# Altium PCB RS232_V2.PcbDoc (part 2 of 2)
Units mil, origin at the board's own origin, x right, y up, seen from the top; angles counter-clockwise.
Board outline 2125.02 x 1520 mil, 2 copper layers (Top Layer, Bottom Layer); 64 components, 62 nets, 232 pads, 68 vias.
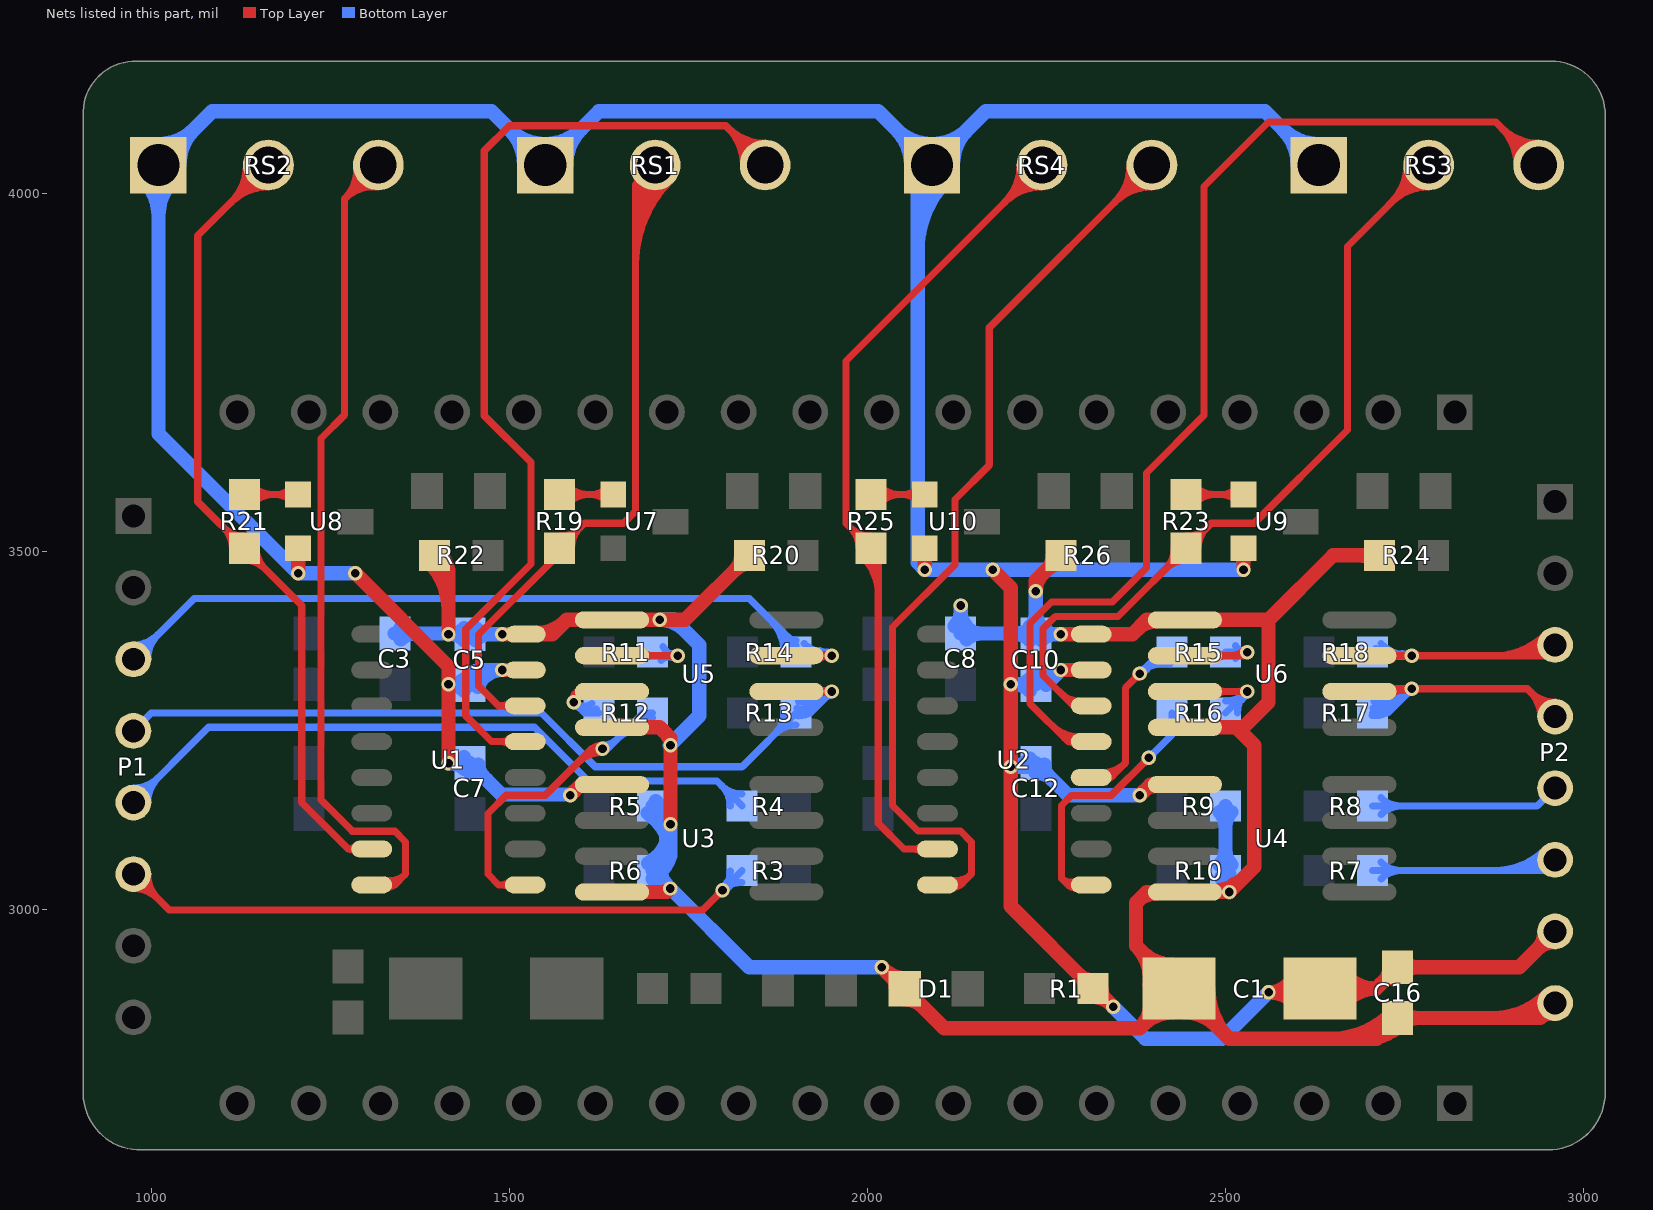
[diagram p2: the nets of this part, all layers, seen from the top]

## Via types
v1: diameter 20, hole 12, Top Layer to Bottom Layer, 68 vias

## Nets (pads, with @x,y where several pads share a name; then routed paths per layer and width w, separated by ;. In a path a pad name is that pad's centre, name@x,y a point inside that pad or via, vN(x,y) a via of type N, cw(c..) or ccw(c..) an arc to the next point about the centre after c; other vN are vias at no path point) (continued)
NetR11_2: R11.2 U5.2 | length 261.5
  Top Layer w10: U5.2@1643.19,3355 v1(1735,3355) ; U5.2@1687.95,3350.05 cw(c1699.9,3338.1) 1699.9,3355 cw(c1699.9,3371.9) U5.2@1687.95,3359.95 ; v1@1731.46,3351.46 ccw(c1722.93,3342.93) 1722.93,3355 ccw(c1722.93,3367.07) v1@1731.46,3358.54
  Bottom Layer w10: R11.2@1704.8,3355 v1(1735,3355) cw(c1735,3377.78) R11.2@1714.67,3367.51 ; R11.2@1711.58,3348.22 cw(c1727.94,3331.87) v1@1727.94,3355 ; R11.2@1719.43,3352.72 cw(c1723.65,3336.97) v1@1732.34,3350.77 ; v1@1730.63,3352.57 ccw(c1720.66,3347.04) 1723.61,3358.05 ccw(c1726.56,3369.06) v1@1732.43,3359.29 ; v1@1731.46,3351.46 ccw(c1722.93,3342.93) 1722.93,3355 ccw(c1722.93,3367.07) v1@1731.46,3358.54
NetR12_1: R12.1 U1.9 | length 649.3
  Top Layer w10: U1.9@1500.73,3030.18 ccw(c1489.11,3018.56) 1489.11,3035 ccw(c1489.11,3051.44) U1.9@1500.73,3039.82 ; U1.9@1522.28,3035 1485,3035 1470,3050 1470,3134.54 1495.65,3160.19 1550.19,3160.19 1615,3225 v1(1630,3225) ; 1595.86,3205.86 cw(c1630,3171.72) v1@1630,3220 ; 1612.93,3222.93 cw(c1630,3205.86) v1@1630,3230 ; v1@1626.46,3221.46 ccw(c1617.93,3212.93) 1617.93,3225 ccw(c1617.93,3237.07) v1@1626.46,3228.54
  Bottom Layer w10: v1(1630,3225) 1636.89,3225 1686.89,3275 R12.1@1700,3275 ; v1@1630,3230 ccw(c1630,3258.7) 1650.3,3238.41 ; 1649.19,3237.3 cw(c1700,3186.49) R12.1@1700,3258.35 ; 1666.26,3254.37 cw(c1700,3220.63) R12.1@1700,3268.35
NetR12_2: R12.2 U5.3 | length 218.3
  Top Layer w10: v1(1590,3290) 1590,3300 ; v1@1594.05,3292.94 cw(c1601.59,3298.41) U5.3@1595,3305 ; U5.3@1598.46,3300.02 ccw(c1594.24,3295.76) 1590,3300 ; U5.3@1643.19,3305 U5.3@1595,3305 ; 1590,3300 U5.3@1595,3305
  Bottom Layer w10: v1@1590,3285 cw(c1590,3272.93) 1598.54,3281.46 cw(c1607.07,3290) v1@1595,3290 ; v1@1594.83,3291.29 ccw(c1616.28,3297.04) R12.2@1605.18,3277.81 ; 1598.11,3281.89 ccw(c1610.55,3294.33) R12.2@1621.18,3280.3 ; R12.2@1615.14,3288.27 cw(c1603.56,3303.56) v1(1590,3290) 1605,3275 R12.2@1625.2,3275
NetR15_1: R15.1 U2.12 | length 426.1
  Top Layer w10: U2.12@2312.28,3185 2340,3185 2360,3205 2360,3310 v1(2380,3330) ; U2.12@2329.02,3181.81 ccw(c2329.02,3200.63) 2342.32,3187.32 ; U2.12@2329.02,3191.81 ccw(c2329.02,3234.77) 2359.39,3204.39 ; v1@2375,3330 cw(c2362.93,3330) 2371.46,3321.46 cw(c2380,3312.93) v1@2380,3325
  Bottom Layer w10: v1@2380,3335 ccw(c2380,3347.07) 2388.54,3338.54 ccw(c2397.07,3330) v1@2385,3330 ; v1@2381.29,3334.83 ccw(c2384.42,3346.49) 2390.45,3336.04 ccw(c2396.49,3325.58) v1@2384.83,3328.71 ; 2393.76,3343.76 cw(c2418.25,3319.27) R15.1@2423.91,3353.44 ; R15.1@2420,3360 2410,3360 v1(2380,3330) cw(c2414.34,3295.66) R15.1@2422.28,3343.57
NetR15_2: R15.2 U6.2 | length 225.9
  Top Layer w10: U6.2@2443.19,3355 2525,3355 v1(2530,3360) ; U6.2@2487.95,3350.05 cw(c2499.9,3338.1) 2499.9,3355 cw(c2499.9,3371.9) U6.2@2487.95,3359.95 ; 2505.86,3355 ccw(c2505.86,3384.14) v1@2526.46,3363.54
  Bottom Layer w10: R15.2@2499.8,3360 v1(2530,3360) ; R15.2@2513.89,3351.11 cw(c2530,3340.95) v1(2530,3360) ; R15.2@2513.89,3368.89 ccw(c2530,3379.05) v1(2530,3360) ; v1@2526.46,3356.46 ccw(c2517.93,3347.93) 2517.93,3360 ccw(c2517.93,3372.07) v1@2526.46,3363.54
NetR16_1: R16.1 U2.9 | length 514.7
  Top Layer w10: 2280.31,3034.69 ccw(c2290.37,3044.76) U2.9@2297.05,3032.18 ; U2.9@2290.55,3030.38 ccw(c2280,3020.65) 2280,3035 ; U2.9@2290.55,3039.62 cw(c2280,3049.35) 2280,3035 ; U2.9@2292.36,3041.02 cw(c2283.74,3057.26) 2270.74,3044.26 ; U2.9@2312.28,3035 2280,3035 ; v1@2387.73,3212.27 cw(c2375.66,3212.27) 2384.19,3203.74 cw(c2392.73,3195.2) v1@2392.73,3207.27 ; v1(2392.73,3212.27) 2340.46,3160 2285,3160 2270.74,3145.74 2270.74,3044.26 ; 2270.74,3044.26 2280,3035
  Bottom Layer w10: v1(2392.73,3212.27) 2425,3244.54 ; v1@2392.73,3217.27 ccw(c2392.73,3229.34) 2401.26,3220.81 ccw(c2409.8,3212.27) v1@2397.73,3212.27 ; R16.1@2416.01,3260.98 cw(c2405.48,3244.55) 2425,3244.55 ; R16.1@2425,3275 2425,3244.54 ; R16.1@2433.99,3260.98 ccw(c2444.52,3244.55) 2425,3244.55
NetR16_2: R16.2 U6.3 | length 295.1
  Top Layer w10: U6.3@2443.19,3305 v1(2530,3305) ; U6.3@2487.95,3300.05 cw(c2499.9,3288.1) 2499.9,3305 cw(c2499.9,3321.9) U6.3@2487.95,3309.95 ; v1@2526.46,3301.46 ccw(c2517.93,3292.93) 2517.93,3305 ccw(c2517.93,3317.07) v1@2526.46,3308.54
  Bottom Layer w10: R16.2@2499.8,3275 2500,3275 v1(2530,3305) ; R16.2@2499.8,3291.65 ccw(c2499.8,3332.33) v1@2528.57,3303.57 ; R16.2@2516.46,3275 cw(c2556.19,3275) v1@2528.09,3303.09 ; 2518.71,3297.88 ccw(c2511.78,3309.88) v1@2525.17,3306.29 ; 2520.9,3299.14 cw(c2526.04,3290.24) v1@2528.71,3300.17 ; 2522.52,3293.44 cw(c2535.03,3286.21) v1@2531.29,3300.17 ; 2524.2,3296.35 ccw(c2515.81,3301.2) v1@2525.17,3303.71 ; v1@2525,3305 cw(c2512.93,3305) 2521.46,3296.46 cw(c2530,3287.93) v1@2530,3300 ; v1@2529.9,3305.1 v1@2530,3305.2
NetR19_2: R19.2 U7.1 | length 187.5
  Top Layer w10: R19.2@1570,3579.8 1644.8,3579.8 U7.1@1645,3580 ; R19.2@1581.78,3568.03 cw(c1610.21,3539.6) 1610.21,3579.8 cw(c1610.21,3620.01) R19.2@1581.78,3591.58 ; 1613.14,3579.8 ccw(c1613.14,3611.86) U7.1@1635.81,3589.19 ; 1614.09,3579.8 cw(c1614.09,3549.09) U7.1@1635.81,3570.81
NetR21_2: R21.2 U8.1 | length 187.3
  Top Layer w10: R21.2@1130,3579.8 U8.1@1204.8,3579.8 ; R21.2@1141.78,3568.03 cw(c1170.21,3539.6) 1170.21,3579.8 cw(c1170.21,3620.01) R21.2@1141.78,3591.58 ; 1173.14,3579.8 ccw(c1173.14,3611.86) U8.1@1195.81,3589.19 ; 1174.09,3579.8 cw(c1174.09,3549.09) U8.1@1195.81,3570.81
NetR23_2: R23.2 U9.1 | length 192.3
  Top Layer w10: R23.2@2445,3579.8 U9.1@2524.8,3579.8 ; R23.2@2456.78,3568.03 cw(c2485.21,3539.6) 2485.21,3579.8 cw(c2485.21,3620.01) R23.2@2456.78,3591.58 ; 2493.14,3579.8 ccw(c2493.14,3611.86) U9.1@2515.81,3589.19 ; 2494.09,3579.8 cw(c2494.09,3549.09) U9.1@2515.81,3570.81
NetR25_2: R25.2 U10.1 | length 187.3
  Top Layer w10: R25.2@2005,3579.8 U10.1@2079.8,3579.8 ; R25.2@2016.78,3568.03 cw(c2045.21,3539.6) 2045.21,3579.8 cw(c2045.21,3620.01) R25.2@2016.78,3591.58 ; 2048.14,3579.8 ccw(c2048.14,3611.86) U10.1@2070.81,3589.19 ; 2049.09,3579.8 cw(c2049.09,3549.09) U10.1@2070.81,3570.81
PA9: P1.5 R4.1 | length 1078.1
  Bottom Layer w10: P1.5@975,3150 1080,3255 1535,3255 1610,3180 1790,3180 R4.1@1825,3145 ; P1.5@975,3170 ccw(c975,3218.28) 1009.14,3184.14 ccw(c1043.28,3150) P1.5@995,3150 ; R4.1@1808.35,3145 ccw(c1768.14,3145) 1796.57,3173.43 ccw(c1825,3201.86) R4.1@1825,3161.65
PA10: P1.3 R14.1 U5.7 | length 1464.3
  Top Layer w10: U5.7@1886.81,3355 v1(1950,3355) ; U5.7@1931.57,3350.05 cw(c1943.52,3338.1) 1943.52,3355 cw(c1943.52,3371.9) U5.7@1931.57,3359.95 ; U5.7@1937.88,3353.49 cw(c1940.29,3344.5) v1@1946.6,3351.33 ; U5.7@1937.88,3356.51 ccw(c1940.29,3365.5) v1@1946.6,3358.67 ; v1@1946.46,3351.46 ccw(c1937.93,3342.93) 1937.93,3355 ccw(c1937.93,3367.07) v1@1946.46,3358.54
  Bottom Layer w10: P1.3@975,3350 1060,3435 1835,3435 1900,3370 R14.1@1900,3360 1945,3360 v1(1950,3355) ; P1.3@975,3370 ccw(c975,3418.28) 1009.14,3384.14 ccw(c1043.28,3350) P1.3@995,3350 ; 1864.5,3405.5 cw(c1819,3360) R14.1@1883.35,3360 ; 1881.57,3388.43 cw(c1853.14,3360) R14.1@1893.35,3360 ; R14.1@1888.64,3381.36 ccw(c1900,3392.72) R14.1@1900,3376.65 ; R14.1@1911.78,3348.22 cw(c1940.21,3319.8) 1940.21,3360 cw(c1940.21,3400.21) R14.1@1911.78,3371.78 ; 1925.86,3360 cw(c1925.86,3330.86) v1@1946.46,3351.46 ; 1932.42,3357.92 cw(c1935.48,3346.49) v1@1945.69,3352.47 ; 1933.58,3361.77 cw(c1928.43,3342.55) v1@1945.67,3352.5
PB10: P2.5 R8.1 | length 328.5
  Bottom Layer w10: R8.1@2705,3145 2935,3145 P2.5@2960,3170 ; R8.1@2716.78,3133.22 cw(c2745.21,3104.79) 2745.21,3145 cw(c2745.21,3185.21) R8.1@2716.78,3156.78
PB11: P2.3 R18.1 U6.7 | length 705.6
  Top Layer w10: U6.7@2686.81,3355 v1(2760,3355) 2945,3355 P2.3@2960,3370 cw(c2923.79,3406.21) 2923.79,3355 ; U6.7@2731.57,3350.05 cw(c2743.52,3338.1) 2743.52,3355 cw(c2743.52,3371.9) U6.7@2731.57,3359.95 ; v1@2756.46,3351.46 ccw(c2747.93,3342.93) 2747.93,3355 ccw(c2747.93,3367.07) v1@2756.46,3358.54 ; v1@2763.54,3351.46 cw(c2772.07,3342.93) 2772.07,3355 cw(c2772.07,3367.07) v1@2763.54,3358.54 ; 2875.5,3355 ccw(c2875.5,3454.5) P2.3@2945.86,3384.14 ; 2899.64,3355 ccw(c2899.64,3430.36) P2.3@2952.93,3377.07
  Bottom Layer w10: R18.1@2705,3360 2710,3355 v1(2760,3355) ; R18.1@2709.7,3364.7 ccw(c2733.13,3388.13) 2733.13,3355 ccw(c2733.13,3331.87) R18.1@2716.78,3348.22 ; R18.1@2716.78,3371.78 ccw(c2757.28,3412.28) v1@2757.28,3355 ; 2746.51,3357.88 ccw(c2750.26,3371.87) v1@2757.5,3359.33 ; 2749.8,3357 cw(c2747.3,3347.67) v1@2755.67,3352.5 ; v1@2756.46,3351.46 ccw(c2747.93,3342.93) 2747.93,3355 ccw(c2747.93,3367.07) v1@2756.46,3358.54
PC10: P2.6 R7.1 | length 501.9
  Bottom Layer w10: R7.1@2705,3055 2945,3055 P2.6@2960,3070 cw(c2923.79,3106.21) 2923.79,3055 ; R7.1@2716.78,3043.22 cw(c2745.21,3014.79) 2745.21,3055 cw(c2745.21,3095.21) R7.1@2716.78,3066.78 ; 2875.5,3055 ccw(c2875.5,3154.5) P2.6@2945.86,3084.14 ; 2899.64,3055 ccw(c2899.64,3130.36) P2.6@2952.93,3077.07
PC11: P2.4 R17.1 U6.6 | length 680.5
  Top Layer w10: U6.6@2686.81,3305 2690.55,3308.74 v1(2760,3308.74) 2921.26,3308.74 P2.4@2960,3270 ; U6.6@2731.57,3300.05 cw(c2752.55,3279.07) v1@2752.55,3308.74 ; 2743.35,3306.27 cw(c2748.17,3288.26) v1@2757.5,3304.41 ; v1@2756.46,3305.2 ccw(c2747.93,3296.67) 2747.93,3308.74 ccw(c2747.93,3320.81) v1@2756.46,3312.28 ; v1@2763.54,3305.2 cw(c2772.07,3296.67) 2772.07,3308.74 cw(c2772.07,3320.81) v1@2763.54,3312.28 ; P2.4@2940,3270 ccw(c2891.72,3270) 2925.86,3304.14 ccw(c2960,3338.28) P2.4@2960,3290
  Bottom Layer w10: R17.1@2704.5,3271.69 ccw(c2709.29,3303.43) 2731.99,3280.73 ; R17.1@2705,3275 2726.26,3275 v1(2760,3308.74) cw(c2716.64,3352.1) R17.1@2707.49,3291.47 ; R17.1@2705.99,3281.58 ccw(c2712.97,3327.76) 2746,3294.74 ; v1@2755,3308.74 cw(c2742.93,3308.74) 2751.46,3300.2 cw(c2760,3291.67) v1@2760,3303.74 ; v1@2755.17,3310.03 cw(c2743.51,3313.16) 2749.55,3302.7 cw(c2755.58,3292.25) v1@2758.71,3303.91
PD5: P1.6 R3.1 | length 1105.2
  Top Layer w10: P1.6@975,3030 cw(c975,2981.72) 1009.14,3015.86 cw(c1043.28,3050) P1.6@995,3050 ; P1.6@975,3050 1025,3000 1770,3000 v1(1797.5,3027.5) ; v1@1792.5,3027.5 cw(c1780.43,3027.5) 1788.96,3018.96 cw(c1797.5,3010.43) v1@1797.5,3022.5
  Bottom Layer w10: v1@1796.21,3032.33 ccw(c1793.08,3043.99) 1803.54,3037.95 ccw(c1813.99,3031.92) v1@1802.33,3028.79 ; v1@1797.5,3032.5 ccw(c1797.5,3044.57) 1806.04,3036.04 ccw(c1814.57,3027.5) v1@1802.5,3027.5 ; v1@1798.79,3032.33 ccw(c1801.92,3043.99) 1807.95,3033.54 ccw(c1813.99,3023.08) v1@1802.33,3026.21 ; R3.1@1808.35,3054.6 cw(c1771.28,3053.72) v1(1797.5,3027.5) ; R3.1@1824.6,3038.35 ccw(c1823.72,3001.28) v1(1797.5,3027.5) ; R3.1@1825,3055 v1(1797.5,3027.5)
PD6: P1.4 R13.1 U5.6 | length 1404.6
  Top Layer w10: U5.6@1886.81,3305 v1(1950,3305) ; U5.6@1931.57,3300.05 cw(c1943.52,3288.1) 1943.52,3305 cw(c1943.52,3321.9) U5.6@1931.57,3309.95 ; U5.6@1937.88,3303.49 cw(c1940.29,3294.5) v1@1946.6,3301.33 ; U5.6@1937.88,3306.51 ccw(c1940.29,3315.5) v1@1946.6,3308.67 ; v1@1946.46,3301.46 ccw(c1937.93,3292.93) 1937.93,3305 ccw(c1937.93,3317.07) v1@1946.46,3308.54
  Bottom Layer w10: P1.4@975,3250 1000,3275 1545,3275 1620,3200 1825,3200 R13.1@1900,3275 1920,3275 v1(1950,3305) cw(c1914.15,3340.85) R13.1@1903.5,3291.28 ; R13.1@1883.35,3275 cw(c1843.14,3275) 1871.57,3246.57 cw(c1900,3218.14) R13.1@1900,3258.35 ; R13.1@1899.3,3271.73 ccw(c1904.96,3298.08) 1924.02,3279.02 ; R13.1@1901.4,3281.51 ccw(c1909.56,3319.46) 1937.01,3292.01 ; v1@1945,3305 cw(c1932.93,3305) 1941.46,3296.46 cw(c1950,3287.93) v1@1950,3300 ; v1@1945.17,3306.29 cw(c1933.51,3309.42) 1939.55,3298.96 cw(c1945.58,3288.51) v1@1948.71,3300.17
PGND: C1.2 C5.2 C7.1 C10.2 C12.1 C16.1 P2.7 R1.1 RS1.1 RS2.1 RS3.1 RS4.1 U1.15 U2.15 U3.5 U4.5 U8.2 U9.2 U10.2 | length 7973.1
  Top Layer w20: U8.2@1199.34,3499.34 cw(c1185.69,3485.69) 1205,3485.69 cw(c1224.31,3485.69) U8.2@1210.66,3499.34 ; v1(1205,3470) U8.2@1205,3505 ; v1(1285,3470) 1415,3340 v1(1415,3315) v1(1415,3205) ; v1(1490,3335) U1.15@1522.28,3335 ; v1(1585,3160) 1600,3175 U3.5@1643.19,3175 ; U10.2@2074.34,3499.34 cw(c2060.69,3485.69) 2080,3485.69 cw(c2099.31,3485.69) U10.2@2085.66,3499.34 ; v1(2080,3475) U10.2@2080,3505 ; v1(2175,3475) 2200,3450 v1(2200,3315) v1(2200,3200) 2200,3005 R1.1@2315,2890 2318,2890 v1(2343,2865) ; v1(2270,3335) U2.15@2312.28,3335 ; R1.1@2303.35,2890 ccw(c2275.21,2890) 2295.11,2909.89 ccw(c2315,2929.79) R1.1@2315,2901.65 ; R1.1@2315,2878.35 cw(c2315,2842.97) v1@2340.02,2867.98 ; R1.1@2326.65,2890 ccw(c2347.54,2890) R1.1@2332.77,2875.23 ; v1(2380,3160) 2395,3175 U4.5@2443.19,3175 ; v1@2385.66,3165.66 cw(c2403.38,3147.95) U4.5@2403.38,3173 ; U9.2@2519.34,3499.34 cw(c2505.69,3485.69) 2525,3485.69 cw(c2544.31,3485.69) U9.2@2530.66,3499.34 ; v1(2525,3475) U9.2@2525,3505 ; C1.2@2594.62,2905.73 cw(c2560,2924.26) v1(2560,2885) ; C1.2@2599.33,2867.6 ccw(c2560,2831.86) v1(2560,2885) ; C1.2@2665.51,2868.91 cw(c2710,2832.52) 2710,2890 ; C1.2@2665.51,2911.09 ccw(c2710,2947.48) 2710,2890 ; 2716.75,2896.75 cw(c2740,2873.49) C16.1@2740,2906.38 ; C16.1@2721.5,2901.5 ccw(c2704.96,2918.03) C16.1@2728.35,2918.03 ; C16.1@2748.24,2911.76 cw(c2768.13,2891.87) 2768.13,2920 cw(c2768.13,2948.13) C16.1@2748.24,2928.24 ; P2.7@2945,2970 cw(c2908.79,2970) 2934.39,2944.39 cw(c2960,2918.79) P2.7@2960,2955 ; P2.7@2960,2970 2910,2920 C16.1@2740,2920 2710,2890 ; v1(2560,2885) 2626.85,2885 C1.2@2631.85,2890 2710,2890
  Bottom Layer w20: RS2.1@989.23,4019.23 cw(c939.09,3969.09) 1010,3969.09 cw(c1080.91,3969.09) RS2.1@1030.77,4019.23 ; RS2.1@1010,4069.37 ccw(c1010,4140.28) 1060.14,4090.14 ccw(c1110.28,4040) RS2.1@1039.37,4040 ; v1(1285,3470) v1(1205,3470) 1010,3665 RS2.1@1010,4040 1085,4115 1475,4115 RS1.1@1550,4040 1625,4115 2015,4115 RS4.1@2090,4040 ; v1(1415,3205) C7.1@1445,3205 1488.74,3161.26 v1@1583.74,3161.26 ; v1@1418.96,3315 ccw(c1418.96,3340.18) C5.2@1436.76,3322.37 ; C5.2@1436.72,3305.94 ccw(c1415,3284.45) v1(1415,3315) C5.2@1444.13,3315 ; C7.1@1436.76,3196.76 ccw(c1416.87,3176.87) 1416.87,3205 ccw(c1416.87,3233.13) C7.1@1436.76,3213.24 ; C5.2@1437.24,3319.18 cw(c1460.54,3309.93) C5.2@1460.54,3335 ; C7.1@1445,3191.38 cw(c1445,3158.49) 1468.25,3181.75 ; C5.2@1445,3314.13 1465.87,3335 v1(1490,3335) ccw(c1490,3298.24) C5.2@1455.83,3311.8 ; C7.1@1456.65,3203.03 ccw(c1480.04,3203.03) C7.1@1463.5,3186.5 ; RS1.1@1520.63,4040 ccw(c1449.72,4040) 1499.86,4090.14 ccw(c1550,4140.28) 1550,4069.37 ccw(c1550,4140.28) 1600.14,4090.14 ccw(c1650.28,4040) RS1.1@1579.37,4040 ; RS4.1@2060.63,4040 ccw(c1989.72,4040) 2039.86,4090.14 ccw(c2090,4140.28) 2090,4069.37 ccw(c2090,4140.28) 2140.14,4090.14 ccw(c2190.28,4040) RS4.1@2119.37,4040 ; 2070,3499.14 ccw(c2104.14,3499.14) v1(2080,3475) ; 2070,3920.81 cw(c2209.19,3920.81) RS4.1@2110.77,4019.23 ; 2070,3969.09 cw(c2160.91,3969.09) RS4.1@2096.63,4033.37 ; v1(2200,3315) C10.2@2234.13,3315 ; v1@2204.78,3315 cw(c2204.78,3283.91) C10.2@2226.76,3305.89 ; v1@2208.96,3315 ccw(c2208.96,3340.18) C10.2@2226.76,3322.37 ; C12.1@2226.68,3211.2 cw(c2200,3237.39) v1(2200,3200) 2230,3200 C12.1@2235,3205 2280,3160 v1(2380,3160) ; C12.1@2235,3191.38 cw(c2235,3158.49) 2258.25,3181.75 ; C10.2@2238.47,3327.23 ccw(c2247.81,3357.19) v1(2270,3335) C10.2@2249.13,3314.13 ; C12.1@2246.65,3203.03 ccw(c2270.04,3203.03) C12.1@2253.5,3186.5 ; v1(2343,2865) 2388,2820 2495,2820 v1(2560,2885) ; v1(2525,3475) v1(2175,3475) v1(2080,3475) ; RS3.1@2600.63,4040 ccw(c2529.72,4040) 2579.86,4090.14 ccw(c2630,4140.28) RS3.1@2630,4069.37 ; RS3.1@2630,4040 2555,4115 2165,4115 RS4.1@2090,4040 ; v1(2080,3475) 2070,3485 2070,4020 RS4.1@2090,4040
PWR5V: C1.1 C3.2 C5.1 C8.2 C10.1 C16.2 D1.1 P2.8 R5.2 R6.2 R9.2 R10.2 R20.2 R22.2 R24.2 R26.2 U1.16 U2.16 U3.8 U4.8 U5.1 U5.4 U6.1 U6.4 | length 6851.3
  Top Layer w20: R22.2@1386.96,3486.76 cw(c1319.25,3419.06) 1415,3419.06 ; R22.2@1395.2,3495 1415,3475.2 v1(1415,3385) ; R22.2@1401.1,3500.9 cw(c1367.54,3467.34) 1415,3467.34 ; v1(1490,3385) U1.16@1522.28,3385 1560,3385 1580,3405 U5.1@1643.19,3405 v1(1710,3405) 1745.2,3405 R20.2@1835.2,3495 ; U1.16@1539.02,3386.81 ccw(c1539.02,3441.84) 1577.93,3402.93 ; U3.8@1643.19,3025 v1@1720,3025 ; U5.4@1643.19,3255 1710,3255 1725,3240 v1(1725,3119.8) ; 1712.73,3025 ccw(c1712.73,3042.07) v1(1724.8,3030) ; 1717.93,3247.07 cw(c1700.86,3230) v1(1725,3230) ; v1@1724.9,3029.9 v1@1725,3030 ; R20.2@1823.54,3495 cw(c1795.41,3495) 1815.3,3475.11 cw(c1835.2,3455.21) R20.2@1835.2,3483.35 ; v1(2020,2920) 2050,2890 D1.1@2052,2890 2107,2835 2380,2835 ; v1@2022.98,2917.02 ccw(c2052,2946.04) D1.1@2052,2905 ; D1.1@2033.84,2906.16 cw(c2020.19,2892.5) D1.1@2039.5,2892.5 ; D1.1@2052,2875 cw(c2052,2838.79) 2077.61,2864.39 ; D1.1@2064.5,2887.5 ccw(c2088.64,2887.5) D1.1@2071.57,2870.43 ; 2245.47,3470.27 ccw(c2270.74,3445) v1(2235,3445) 2235,3459.8 R26.2@2270.2,3495 ; R26.2@2258.54,3495 cw(c2230.41,3495) 2250.3,3475.11 cw(c2270.2,3455.21) R26.2@2270.2,3483.35 ; v1(2270,3385) U2.16@2312.28,3385 2370,3385 2390,3405 U6.1@2443.19,3405 2560,3405 2560,3290 2525,3255 2515,3255 ; 2377.13,3012.13 cw(c2403.38,2985.87) U4.8@2403.38,3023 ; 2377.13,3392.13 cw(c2403.38,3365.87) U6.1@2403.38,3403 ; 2383.71,2838.71 cw(c2427.13,2795.29) C1.1@2427.13,2856.69 ; 2383.71,2941.29 ccw(c2427.13,2984.71) C1.1@2427.13,2923.31 ; C1.1@2394.08,2894.2 ccw(c2327.64,2902.64) 2375,2950 ; C1.1@2394.5,2883.31 cw(c2342.39,2872.62) 2380,2835 ; C1.1@2442.87,2856.69 cw(c2442.87,2795.29) 2486.29,2838.71 ; U6.4@2443.19,3255 2515,3255 ; C1.1@2456.18,2889.96 ccw(c2506.81,2889.79) C1.1@2471.01,2853.99 ; C1.1@2476.18,2889.89 ccw(c2574.57,2889.57) 2505,2820 ; U4.8@2483,3027 ccw(c2483,3084.94) 2523.97,3043.97 ; 2513.16,3036.92 ccw(c2523.47,3021.11) v1(2505,3025) ; 2561,3406 2650,3495 R24.2@2715.2,3495 ; 2646.28,2820 ccw(c2646.28,2940.88) C16.2@2731.76,2855.41 ; 2694.57,2820 ccw(c2694.57,2892.6) C16.2@2745.9,2841.26 ; R24.2@2706.96,3486.76 ccw(c2687.06,3466.87) 2687.06,3495 ccw(c2687.06,3523.13) R24.2@2706.96,3503.24 ; 2716.75,2825.88 cw(c2740,2802.63) C16.2@2740,2835.51 ; C16.2@2721.5,2830.63 ccw(c2704.96,2847.17) C16.2@2728.35,2847.17 ; C16.2@2748.24,2840.89 cw(c2768.13,2821) 2768.13,2849.13 cw(c2768.13,2877.27) C16.2@2748.24,2857.37 ; 2873.41,2849.13 ccw(c2873.41,2956.59) P2.8@2949.39,2880.61 ; 2921.7,2849.13 ccw(c2921.7,2908.3) P2.8@2963.54,2866.46 ; P2.8@2945.18,2867.68 cw(c2923.92,2864.35) 2939.13,2849.13 ; P2.8@2957.68,2855.18 ccw(c2954.35,2833.92) 2939.13,2849.13 ; P2.8@2960,2870 2939.13,2849.13 ; 2375,2950 C1.1@2435,2890 ; 2375,2950 2375,3010 2390,3025 U4.8@2443.19,3025 v1(2505,3025) ; 2380,2835 C1.1@2435,2890 ; C1.1@2435,2890 2505,2820 ; 2505,2820 2710.87,2820 C16.2@2740,2849.13 2939.13,2849.13 ; v1(2505,3025) 2540,3060 2540,3230 2515,3255
  Bottom Layer w20: C3.2@1340,3385.87 1414.13,3385.87 v1(1415,3385) ; C3.2@1348.24,3377.63 cw(c1368.13,3357.73) 1368.13,3385.87 cw(c1368.13,3414) C3.2@1348.24,3394.11 ; C5.1@1436.72,3376.8 ccw(c1415,3355.32) 1415,3385.87 C5.1@1444.13,3385.87 ; C5.1@1445,3385 v1(1490,3385) ; C5.1@1453.24,3376.76 cw(c1473.13,3356.87) 1473.13,3385 cw(c1473.13,3413.13) C5.1@1453.24,3393.24 ; R5.2@1693.26,3135.36 cw(c1652.64,3075.47) 1725,3075.47 ; R6.2@1693.85,3065.02 ccw(c1661.25,3119.8) v1(1725,3119.8) ; R5.2@1694.61,3133.9 ccw(c1726.81,3163.54) v1(1725,3119.8) ; R6.2@1699.8,3066.65 ccw(c1699.8,3094.79) 1719.7,3074.89 ccw(c1739.59,3055) R6.2@1711.46,3055 ; R5.2@1699.8,3133.35 cw(c1699.8,3105.21) 1719.7,3125.11 cw(c1739.59,3145) R5.2@1711.46,3145 ; R5.2@1699.8,3145 v1(1725,3119.8) ; R6.2@1704.07,3047.83 ccw(c1682.18,3084.63) 1725,3084.63 ; R5.2@1704.49,3151.91 cw(c1678.24,3113.21) v1@1725,3113.21 ; 1719.93,3094.78 cw(c1747.95,3102.13) v1(1725,3119.8) ; v1@1723.76,3230 1765,3271.24 1765,3370 1730,3405 v1(1710,3405) cw(c1710,3356.72) 1744.14,3390.86 ; v1(2020,2920) 1834.8,2920 v1(1724.8,3030) R6.2@1699.8,3055 1725,3080.2 v1(1725,3119.8) ; C8.2@2121.76,3396.07 ccw(c2101.87,3415.97) 2130,3415.97 ccw(c2158.13,3415.97) C8.2@2138.24,3396.07 ; v1(2130,3425) C8.2@2130,3385.87 2234.13,3385.87 2235,3386.73 v1(2235,3445) ; C8.2@2138.24,3377.63 cw(c2158.13,3357.73) 2158.13,3385.87 cw(c2158.13,3414) C8.2@2138.24,3394.11 ; 2204.78,3385.87 cw(c2204.78,3354.78) C10.1@2226.76,3376.76 ; 2208.96,3385.87 ccw(c2208.96,3411.04) C10.1@2226.76,3393.24 ; C10.1@2226.76,3395.21 ccw(c2206.87,3415.1) 2235,3415.1 ccw(c2263.13,3415.1) C10.1@2243.24,3395.21 ; C10.1@2235,3385 v1(2270,3385) ; C10.1@2243.24,3376.76 cw(c2263.13,3356.87) 2263.13,3385 cw(c2263.13,3413.13) C10.1@2243.24,3393.24 ; R10.2@2491.56,3063.24 ccw(c2471.67,3083.13) 2499.8,3083.13 ccw(c2527.94,3083.13) R10.2@2508.04,3063.24 ; R9.2@2491.56,3136.76 cw(c2471.67,3116.87) 2499.8,3116.87 cw(c2527.94,3116.87) R9.2@2508.04,3136.76 ; R10.2@2493.61,3045.13 cw(c2480.72,3024.55) v1@2505,3024.55 ; R9.2@2499.8,3145 R10.2@2499.8,3055 2505,3049.8 v1(2505,3025) ; v1@1418.96,3385.87 ccw(c1418.96,3411.04) C5.1@1436.76,3393.24 ; v1@1418.96,3385.87 ccw(c1418.96,3411.04) C5.1@1436.76,3393.24 ; v1@1418.96,3385.87 ccw(c1418.96,3411.04) C5.1@1436.76,3393.24 ; R6.2@1699.8,3043.35 cw(c1699.8,3015.21) R6.2@1719.7,3035.11 ; R6.2@1699.8,3043.35 cw(c1699.8,3015.21) R6.2@1719.7,3035.11 ; R6.2@1699.8,3043.35 cw(c1699.8,3015.21) R6.2@1719.7,3035.11 ; R6.2@1711.46,3055 ccw(c1739.59,3055) R6.2@1719.7,3035.11 ; R6.2@1711.46,3055 ccw(c1739.59,3055) R6.2@1719.7,3035.11 ; R6.2@1711.46,3055 ccw(c1739.59,3055) R6.2@1719.7,3035.11 ; v1@1414.78,3385.87 cw(c1414.78,3354.78) 1436.76,3376.76 ccw(c1414.78,3354.78) v1@1414.78,3385.87
RS1RX: RS1.3 U1.13 | length 1599.9
  Top Layer w10: U1.13@1500.73,3230.18 ccw(c1489.11,3218.56) 1489.11,3235 ccw(c1489.11,3251.44) U1.13@1500.73,3239.82 ; U1.13@1522.28,3235 1475,3235 1439,3271 1439,3391.98 1530,3482.98 1530,3625 1465,3690 1465,4060 1500,4095 1802.09,4095 RS1.3@1857.09,4040 ; RS1.3@1826.65,4040 ccw(c1753.18,4040) 1805.13,4091.95 ccw(c1857.09,4143.9) RS1.3@1857.09,4070.43 ; RS1.3@1836.65,4040 ccw(c1787.32,4040) 1822.21,4074.88 ccw(c1857.09,4109.76) RS1.3@1857.09,4060.43
RS1TX: R19.1 RS1.2 U1.14 | length 1518.6
  Top Layer w10: U1.14@1500.73,3280.18 ccw(c1489.11,3268.56) 1489.11,3285 ccw(c1489.11,3301.44) U1.14@1500.73,3289.82 ; U1.14@1522.28,3285 1485,3285 1457,3313 1457,3384.53 R19.1@1573.74,3501.26 ; R19.1@1570,3505 1605,3540 1659.38,3540 1676,3556.62 1676,4012.46 ; R19.1@1570,3521.65 ccw(c1570,3561.86) 1598.43,3533.43 ccw(c1626.86,3505) R19.1@1586.65,3505 ; 1676,3900.03 cw(c1843.51,3900.03) RS1.2@1725.06,4018.48 ; 1676,3924.18 cw(c1819.37,3924.18) RS1.2@1717.99,4025.55 ; 1676,3948.32 cw(c1795.23,3948.32) RS1.2@1710.92,4032.62 ; 1676,3972.46 cw(c1771.08,3972.46) RS1.2@1703.85,4039.69 ; 1676,3996.6 cw(c1746.94,3996.6) RS1.2@1696.78,4046.76 ; RS1.2@1677.46,4024.32 cw(c1669.13,4019.32) 1676,4012.46 ; RS1.2@1687.87,4013.91 ccw(c1682.87,4005.59) 1676,4012.46 ; RS1.2@1703.54,4040 1676,4012.46
RS2RX: RS2.3 U1.8 | length 1400.8
  Top Layer w10: RS2.3@1286.73,4037.81 cw(c1229.25,4033.67) 1270,3992.92 ; RS2.3@1296.71,4038.53 cw(c1258.11,4035.75) 1285.47,4008.39 cw(c1312.83,3981.03) RS2.3@1315.62,4019.62 ; U1.8@1307.72,3035 1340,3035 ; RS2.3@1314.9,4009.65 ccw(c1310.75,3952.17) 1270,3992.92 ; RS2.3@1317.09,4040 1270,3992.91 ; U1.8@1323.74,3031.89 ccw(c1328.16,3051.25) 1342.21,3037.21 ; U1.8@1325.97,3041.64 ccw(c1332.92,3072.07) 1355,3050 ; U1.8@1329.45,3030.38 cw(c1340,3020.65) 1340,3035 ; U1.8@1329.45,3039.62 ccw(c1340,3049.35) 1340,3035 ; 1270,3992.91 1270,3691.26 1237,3658.26 1237,3153.9 1280.71,3110.19 1280.71,3109.81 1340.19,3109.81 1355,3095 1355,3050 ; 1340,3035 1355,3050
RS2TX: R21.1 RS2.2 U1.7 | length 1459.5
  Top Layer w10: R21.1@1113.35,3505 ccw(c1073.14,3505) 1101.57,3533.43 ccw(c1130,3561.86) R21.1@1130,3521.65 ; R21.1@1130,3488.35 cw(c1130,3448.14) 1158.43,3476.57 cw(c1186.86,3505) R21.1@1146.65,3505 ; RS2.2@1133.11,4040 cw(c1059.64,4040) 1111.59,3988.05 cw(c1163.54,3936.1) RS2.2@1163.54,4009.57 ; RS2.2@1143.11,4040 cw(c1093.78,4040) 1128.66,4005.12 cw(c1163.54,3970.24) RS2.2@1163.54,4019.57 ; RS2.2@1163.54,4040 1065,3941.46 1065,3570 R21.1@1130,3505 1210,3425 1210,3150 1275,3085 ; U1.7@1286.07,3080.28 ccw(c1275,3069.65) 1275,3085 ; U1.7@1286.07,3089.72 cw(c1275,3100.35) 1275,3085 ; U1.7@1307.72,3085 1275,3085
RS3RX: RS3.3 U2.13 | length 1791.1
  Top Layer w10: 2257.38,3257.62 ccw(c2295.55,3295.8) U2.13@2295.55,3241.81 ; 2274.45,3240.55 ccw(c2295.55,3261.66) U2.13@2295.55,3231.81 ; U2.13@2290.55,3230.38 ccw(c2280,3220.65) 2280,3235 ; U2.13@2290.55,3239.62 cw(c2280,3249.35) 2280,3235 ; U2.13@2312.28,3235 2280,3235 ; RS3.3@2906.65,4040 ccw(c2833.18,4040) 2885.13,4091.95 ccw(c2937.09,4143.9) RS3.3@2937.09,4070.43 ; RS3.3@2916.65,4040 ccw(c2867.32,4040) 2902.21,4074.88 ccw(c2937.09,4109.76) RS3.3@2937.09,4060.43 ; RS3.3@2937.09,4040 2877.09,4100 2560,4100 2470,4010 2470,3690.58 2389.42,3610 2389.42,3477.73 2341.69,3430 2257.02,3430 2227,3399.98 2227,3288 2280,3235
RS3TX: R23.1 RS3.2 U2.14 | length 1454.3
  Top Layer w10: 2270.13,3302.34 ccw(c2295.55,3327.76) U2.14@2295.55,3291.81 ; U2.14@2312.28,3285 2287.47,3285 2245,3327.47 2245,3392.53 2262.28,3409.81 2349.81,3409.81 R23.1@2445,3505 2480,3540 2540,3540 2670,3670 2670,3926.46 RS3.2@2783.54,4040 ; R23.1@2428.35,3505 cw(c2388.14,3505) 2416.57,3476.57 cw(c2445,3448.14) R23.1@2445,3488.35 ; R23.1@2445,3521.65 ccw(c2445,3561.86) 2473.43,3533.43 ccw(c2501.86,3505) R23.1@2461.65,3505 ; RS3.2@2753.11,4040 cw(c2679.64,4040) 2731.59,3988.05 cw(c2783.54,3936.1) RS3.2@2783.54,4009.57 ; RS3.2@2763.11,4040 cw(c2713.78,4040) 2748.66,4005.12 cw(c2783.54,3970.24) RS3.2@2783.54,4019.57
RS4RX: RS4.3 U2.8 | length 1541.8
  Top Layer w10: U2.8@2097.72,3035 2130,3035 ; U2.8@2113.74,3031.89 ccw(c2118.16,3051.25) 2132.21,3037.21 ; U2.8@2115.97,3041.64 ccw(c2122.92,3072.07) 2145,3050 ; U2.8@2119.45,3030.38 cw(c2130,3020.65) 2130,3035 ; U2.8@2119.45,3039.62 ccw(c2130,3049.35) 2130,3035 ; RS4.3@2366.65,4040 cw(c2293.18,4040) 2345.13,3988.05 cw(c2397.09,3936.1) RS4.3@2397.09,4009.57 ; RS4.3@2376.65,4040 cw(c2327.32,4040) 2362.21,4005.12 cw(c2397.09,3970.24) RS4.3@2397.09,4019.57 ; RS4.3@2397.09,4040 2170,3812.91 2170,3621 2122,3573 2122,3482 2035,3395 2035,3145.9 2070.71,3110.19 2129.81,3110.19 2145,3095 2145,3050 ; 2130,3035 2145,3050
RS4TX: R25.1 RS4.2 U2.7 | length 1528.3
  Top Layer w10: R25.1@1988.35,3505 ccw(c1948.14,3505) 1976.57,3533.43 ccw(c2005,3561.86) R25.1@2005,3521.65 ; R25.1@1993.22,3493.22 cw(c1940.65,3440.65) 2015,3440.65 ; R25.1@2000.3,3500.3 cw(c1964.79,3464.79) 2015,3464.79 ; U2.7@2076.17,3080.18 ccw(c2064.54,3068.56) 2064.54,3085 ccw(c2064.54,3101.44) U2.7@2076.17,3089.82 ; U2.7@2097.72,3085 2051,3085 2015,3121 2015,3495 R25.1@2005,3505 1970,3540 1970,3766.46 RS4.2@2243.54,4040 ; RS4.2@2213.11,4040 cw(c2139.64,4040) 2191.59,3988.05 cw(c2243.54,3936.1) RS4.2@2243.54,4009.57 ; RS4.2@2223.11,4040 cw(c2173.78,4040) 2208.66,4005.12 cw(c2243.54,3970.24) RS4.2@2243.54,4019.57
pads on no net: P1.1 P1.2 P2.1 P2.2 P3.1 P3.2 P3.3 P3.4 P3.5 P3.6 P3.7 P3.8 P3.9 P3.10 P3.11 P3.12 P3.13 P3.14 P3.15 P3.16 P3.17 P3.18 P4.1 P4.2 P4.3 P4.4 P4.5 P4.6 P4.7 P4.8 P4.9 P4.10 P4.11 P4.12 P4.13 P4.14 P4.15 P4.16 P4.17 P4.18 U7.2

## Polygon pours and split planes (outlines as drawn)
GND on Top Layer "Top Layer-No Net" (hatched 90Degree grid 20 track 8, remove dead copper, pour order 6): 800,3000 805,2995 1700,2995 1725,2995 1775,3045 1775,3270 1820,3315 1825,3320 1955,3320 2045,3230 2050,3225 2050,2635 815,2635 805,2645
GND on Top Layer "Top Layer-No Net" (hatched 90Degree grid 20 track 8, remove dead copper, pour order 8): 805,3045 815,3035 1655,3035 1680,3035 1725,3080 1735,3090 1735,3275 1735,3290 1795,3350 1970,3350 2015,3350 2090,3275 2090,2575 3150,2575 3160,2585 3250,2675 3250,4325 815,4325 795,4305
PGND on Bottom Layer "Top Layer-No Net" (hatched 90Degree grid 20 track 8, remove dead copper, pour order 7): 805,3035 815,3025 1655,3025 1680,3025 1725,3070 1735,3080 1735,3265 1735,3280 1795,3340 1970,3340 2015,3340 2090,3265 2090,2565 3150,2565 3160,2575 3250,2665 3250,4315 815,4315 795,4295
GND on Bottom Layer "Top Layer-No Net" (hatched 90Degree grid 20 track 8, remove dead copper, pour order 5): 800,3000 805,2995 1700,2995 1725,2995 1775,3045 1775,3270 1820,3315 1825,3320 1955,3320 2045,3230 2050,3225 2050,2635 815,2635 805,2645

## Keep-outs
Keep-Out Layer:
  the board outline again, w10

## Silkscreen, mask and mechanical layers (free items; w line width, h text height)
Top Overlay:
  lines w10: 905,3835 905,3775 1415,3775 1415,3835 ; 1445,3835 1445,3775 1955,3775 1955,3835 ; 1985,3835 1985,3775 2495,3775 2495,3835 ; 2525,3835 2525,3775 3035,3775 3035,3835
  text "PGND" at 940,3865 h40
  text "TX" at 1135,3865 h40
  text "RX" at 1285,3865 h40
  text "PGND" at 1475,3865 h40
  text "TX" at 1670,3865 h40
  text "RX" at 1825,3865 h40
  text "PGND" at 2015,3865 h40
  text "TX" at 2210,3865 h40
  text "RX" at 2365,3865 h40
  text "PGND" at 2560,3865 h40
  text "TX" at 2760,3865 h40
  text "RX" at 2910,3865 h40
  text "RS2" at 970,3785 h40
  text "D5" at 1135,3785 h40
  text "D6" at 1285,3785 h40
  text "RS1" at 1510,3785 h40
  text "A9" at 1675,3785 h40
  text "A10" at 1825,3785 h40
  text "RS4" at 2050,3785 h40
  text "C10" at 2215,3785 h40
  text "C11" at 2365,3785 h40
  text "RS3" at 2585,3785 h40
  text "B10" at 2750,3785 h40
  text "B11" at 2905,3785 h40
  text "B11" at 2790,3350 h40
  text "A10" at 1050,3335 h40
  text "C11" at 2790,3250 h40
  text "D6" at 1050,3230 h40
  text "B10" at 2790,3150 h40
  text "A9" at 1050,3130 h40
  text "C10" at 2790,3050 h40
  text "D5" at 1050,3030 h40
  text "PGND" at 2790,2955 h30
  text "GND" at 1050,2930 h40
  text "P_5V" at 2790,2849.13 h30
  text "3V3" at 1050,2830 h40
Bottom Overlay:
  text "TTL转RS232_2017_V6" at 2650,2825 h150